# Altium PCB Main.PcbDoc (part 5 of 7) (continued)
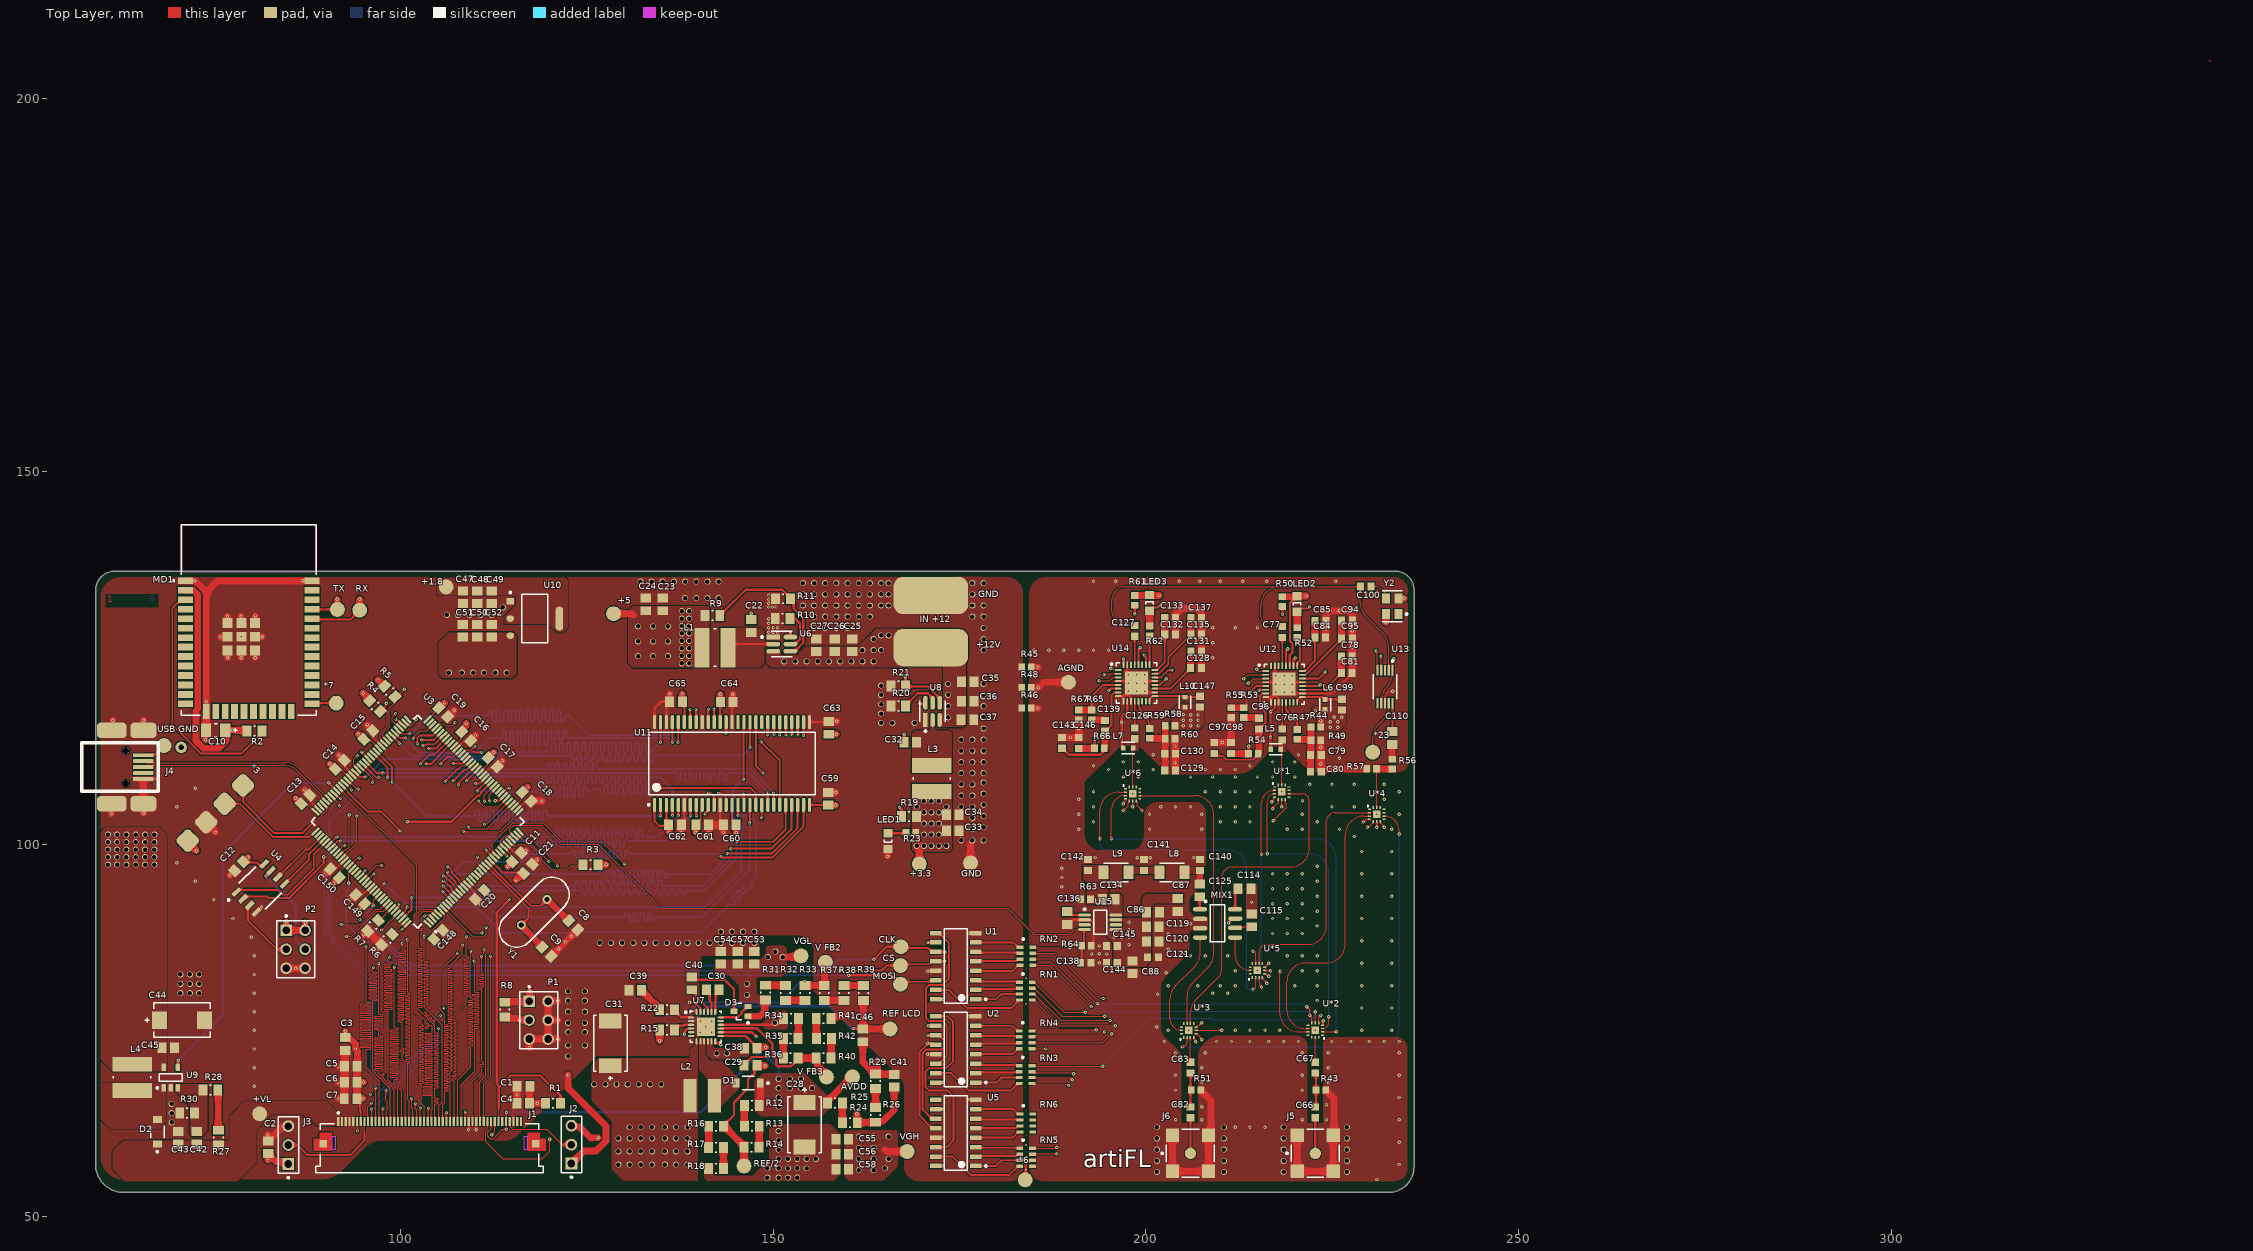
[diagram p0: Top Layer view]
## Nets (pads, with @x,y where several pads share a name; then routed paths per layer and width w, separated by ;. In a path a pad name is that pad's centre, name@x,y a point inside that pad or via, vN(x,y) a via of type N, cw(c..) or ccw(c..) an arc to the next point about the centre after c; other vN are vias at no path point) (continued)
  Signal 1 w0.127: v3(109.45,85.65) 109.45,94.95 114.445,99.945 117.305,99.945 117.325,99.925 117.65,99.925 v3(119.95,97.625)
LCD_R3: J1.32 U3.46 | length 63.1
  Top Layer w0.127: J1.32@107.175,62.775 107.241,62.841 107.241,68.175 107.241,68.181 107.177,68.245 107.05,68.245 106.987,68.308 106.987,68.435 107.05,68.499 107.241,68.499 107.431,68.499 107.495,68.562 107.495,68.689 107.431,68.753 107.241,68.753 107.05,68.753 106.987,68.816 106.987,68.943 107.05,69.007 107.241,69.007 107.431,69.007 107.495,69.07 107.495,69.197 107.431,69.261 107.241,69.261 107.202,69.261 107.139,69.324 107.139,69.451 107.202,69.515 107.241,69.515 107.431,69.515 107.495,69.578 107.495,69.705 107.431,69.769 107.304,69.769 107.241,69.832 107.241,69.959 107.304,70.023 107.431,70.023 107.495,70.086 107.495,70.213 107.431,70.277 107.304,70.277 107.241,70.34 107.241,70.467 107.304,70.531 107.431,70.531 107.495,70.594 107.495,70.721 107.431,70.785 107.304,70.785 107.241,70.848 107.241,70.975 107.304,71.039 107.431,71.039 107.495,71.102 107.495,71.229 107.431,71.293 107.304,71.293 107.241,71.356 107.241,71.483 107.304,71.547 107.431,71.547 107.495,71.61 107.495,71.737 107.431,71.801 107.304,71.801 107.241,71.864 107.241,71.991 107.304,72.055 107.431,72.055 107.495,72.118 107.495,72.245 107.431,72.309 107.304,72.309 107.241,72.372 107.241,72.499 107.304,72.563 107.431,72.563 107.495,72.626 107.495,72.753 107.431,72.817 107.304,72.817 107.241,72.88 107.241,73.007 107.304,73.071 107.431,73.071 107.495,73.134 107.495,73.261 107.431,73.325 107.304,73.325 107.241,73.388 107.241,73.515 107.304,73.579 107.431,73.579 107.495,73.642 107.495,73.769 107.431,73.833 107.304,73.833 107.241,73.896 107.241,74.023 107.304,74.087 107.431,74.087 107.495,74.15 107.495,74.277 107.431,74.341 107.304,74.341 107.241,74.404 107.241,74.531 107.304,74.595 107.431,74.595 107.495,74.658 107.495,74.785 107.431,74.849 107.304,74.849 107.241,74.912 107.241,75.039 107.304,75.103 107.431,75.103 107.495,75.166 107.495,75.293 107.431,75.357 107.304,75.357 107.241,75.42 107.241,75.547 107.304,75.611 107.431,75.611 107.495,75.674 107.495,75.801 107.431,75.865 107.304,75.865 107.241,75.928 107.241,76.055 107.304,76.119 107.431,76.119 107.495,76.182 107.495,76.309 107.431,76.373 107.304,76.373 107.241,76.436 107.241,76.5 107.241,77.091 108.85,78.7 108.85,79.5 108.864,79.514 109.041,79.514 109.104,79.577 109.104,79.704 109.041,79.768 108.85,79.768 108.659,79.768 108.596,79.831 108.596,79.958 108.659,80.022 108.85,80.022 109.041,80.022 109.104,80.085 109.104,80.212 109.041,80.276 108.85,80.276 108.659,80.276 108.596,80.339 108.596,80.466 108.659,80.53 108.85,80.53 109.041,80.53 109.104,80.593 109.104,80.72 109.041,80.784 108.85,80.784 108.659,80.784 108.596,80.847 108.596,80.974 108.659,81.038 108.85,81.038 109.041,81.038 109.104,81.101 109.104,81.228 109.041,81.292 108.85,81.292 108.659,81.292 108.596,81.355 108.596,81.482 108.659,81.546 108.85,81.546 109.041,81.546 109.104,81.609 109.104,81.736 109.041,81.8 108.85,81.8 108.659,81.8 108.596,81.863 108.596,81.99 108.659,82.054 108.85,82.054 109.041,82.054 109.104,82.117 109.104,82.244 109.041,82.308 108.85,82.308 108.659,82.308 108.596,82.371 108.596,82.498 108.659,82.562 108.85,82.562 109.041,82.562 109.104,82.625 109.104,82.752 109.041,82.816 108.85,82.816 108.659,82.816 108.596,82.879 108.596,83.006 108.659,83.07 108.85,83.07 109.041,83.07 109.104,83.133 109.104,83.26 109.041,83.324 108.85,83.324 108.659,83.324 108.596,83.387 108.596,83.514 108.659,83.578 108.85,83.578 109.041,83.578 109.104,83.641 109.104,83.768 109.041,83.832 108.85,83.832 108.659,83.832 108.596,83.895 108.596,84.022 108.659,84.086 108.85,84.086 109.041,84.086 109.104,84.149 109.104,84.276 109.041,84.34 108.85,84.34 108.659,84.34 108.596,84.403 108.596,84.53 108.659,84.594 108.85,84.594 109.041,84.594 109.104,84.657 109.104,84.784 109.041,84.848 108.914,84.848 108.85,84.911 108.85,84.975 108.85,87.55 v3(108.9,87.6) ; v3(111.93,105.755) 111.93,106.595 U3.46@112.843,107.508
  Signal 1 w0.127: v3(108.9,87.6) 108.9,95.125 111.992,98.217 111.992,101.918 111.93,101.98 v3(111.93,105.755)
LCD_R4: J1.31 U3.41 | length 63.6
  Top Layer w0.127: J1.31@106.675,62.775 106.71,62.81 106.71,69.5 106.71,69.541 106.773,69.605 106.9,69.605 106.964,69.668 106.964,69.795 106.9,69.859 106.773,69.859 106.71,69.922 106.71,70.049 106.773,70.113 106.9,70.113 106.964,70.176 106.964,70.303 106.9,70.367 106.773,70.367 106.71,70.43 106.71,70.557 106.773,70.621 106.9,70.621 106.964,70.684 106.964,70.811 106.9,70.875 106.773,70.875 106.71,70.938 106.71,71.065 106.773,71.129 106.9,71.129 106.964,71.192 106.964,71.319 106.9,71.383 106.773,71.383 106.71,71.446 106.71,71.573 106.773,71.637 106.9,71.637 106.964,71.7 106.964,71.827 106.9,71.891 106.773,71.891 106.71,71.954 106.71,72.081 106.773,72.145 106.9,72.145 106.964,72.208 106.964,72.335 106.9,72.399 106.773,72.399 106.71,72.462 106.71,72.589 106.773,72.653 106.9,72.653 106.964,72.716 106.964,72.843 106.9,72.907 106.773,72.907 106.71,72.97 106.71,73.097 106.773,73.161 106.9,73.161 106.964,73.224 106.964,73.351 106.9,73.415 106.773,73.415 106.71,73.478 106.71,73.605 106.773,73.669 106.9,73.669 106.964,73.732 106.964,73.859 106.9,73.923 106.773,73.923 106.71,73.986 106.71,74.113 106.773,74.177 106.9,74.177 106.964,74.24 106.964,74.367 106.9,74.431 106.773,74.431 106.71,74.494 106.71,74.621 106.773,74.685 106.9,74.685 106.964,74.748 106.964,74.875 106.9,74.939 106.773,74.939 106.71,75.002 106.71,75.129 106.773,75.193 106.9,75.193 106.964,75.256 106.964,75.383 106.9,75.447 106.773,75.447 106.71,75.51 106.71,75.637 106.773,75.701 106.9,75.701 106.964,75.764 106.964,75.891 106.9,75.955 106.71,75.955 106.579,75.955 106.516,76.018 106.516,76.145 106.579,76.209 106.71,76.209 106.9,76.209 106.964,76.272 106.964,76.399 106.9,76.463 106.71,76.463 106.519,76.463 106.456,76.526 106.456,76.653 106.519,76.717 106.71,76.717 106.9,76.717 106.964,76.78 106.964,76.907 106.9,76.971 106.71,76.971 106.519,76.971 106.456,77.034 106.456,77.161 106.519,77.225 106.71,77.225 106.9,77.225 106.964,77.288 106.964,77.415 106.9,77.479 106.71,77.479 106.519,77.479 106.456,77.542 106.456,77.669 106.519,77.733 106.71,77.733 106.9,77.733 106.964,77.796 106.964,77.923 106.9,77.987 106.71,77.987 106.519,77.987 106.456,78.05 106.456,78.177 106.519,78.241 106.71,78.241 106.9,78.241 106.964,78.304 106.964,78.431 106.9,78.495 106.71,78.495 106.519,78.495 106.456,78.558 106.456,78.685 106.519,78.749 106.71,78.749 106.9,78.749 106.964,78.812 106.964,78.939 106.9,79.003 106.71,79.003 106.519,79.003 106.456,79.066 106.456,79.193 106.519,79.257 106.71,79.257 106.9,79.257 106.964,79.32 106.964,79.447 106.9,79.511 106.71,79.511 106.519,79.511 106.456,79.574 106.456,79.701 106.519,79.765 106.71,79.765 106.9,79.765 106.964,79.828 106.964,79.955 106.9,80.019 106.71,80.019 106.519,80.019 106.456,80.082 106.456,80.209 106.519,80.273 106.71,80.273 106.9,80.273 106.964,80.336 106.964,80.463 106.9,80.527 106.71,80.527 106.519,80.527 106.456,80.59 106.456,80.717 106.519,80.781 106.71,80.781 106.9,80.781 106.964,80.844 106.964,80.971 106.9,81.035 106.71,81.035 106.519,81.035 106.456,81.098 106.456,81.225 106.519,81.289 106.71,81.289 106.9,81.289 106.964,81.352 106.964,81.479 106.9,81.543 106.71,81.543 106.519,81.543 106.456,81.606 106.456,81.733 106.519,81.797 106.71,81.797 106.9,81.797 106.964,81.86 106.964,81.987 106.9,82.051 106.71,82.051 106.519,82.051 106.456,82.114 106.456,82.241 106.519,82.305 106.71,82.305 106.9,82.305 106.964,82.368 106.964,82.495 106.9,82.559 106.71,82.559 106.519,82.559 106.456,82.622 106.456,82.749 106.519,82.813 106.71,82.813 106.9,82.813 106.964,82.876 106.964,83.003 106.9,83.067 106.71,83.067 106.519,83.067 106.456,83.13 106.456,83.257 106.519,83.321 106.646,83.321 106.71,83.384 106.71,83.575 106.71,83.702 108.325,85.317 v3(108.325,86.45) ; v3(111.299,102.598) 111.351,102.65 111.521,102.65 U3.41@114.611,105.74
  Signal 1 w0.127: v3(108.325,86.45) 108.325,94.95 111.125,97.75 111.125,98.782 110.957,98.949 110.957,102.183 111.299,102.524 v3(111.299,102.598)
LCD_R5: J1.30 U3.101 | length 62.5
  Top Layer w0.127: U3.101@91.1,106.801 91.723,106.177 91.923,106.177 v3(91.975,106.125) ; J1.30@106.1,62.7 J1.30@106.175,62.775 v3(106.175,64)
  Signal 2 w0.127: v3(96.025,66.4) 96.042,66.383 98.567,66.383 99.362,65.587 99.407,65.543 99.497,65.543 99.587,65.632 99.677,65.632 99.767,65.543 99.767,65.453 99.632,65.318 99.497,65.183 99.497,65.094 99.587,65.004 99.677,65.004 99.767,65.094 99.856,65.094 99.987,64.962 100.95,64 v3(106.175,64)
  Bottom Layer w0.127: v3(91.975,106.125) 90.368,104.517 90.368,95.675 89.85,95.158 89.85,87.649 96.2,81.299 96.2,79.267 96.2,79.14 96.2,78.949 96.137,78.886 95.756,78.886 95.692,78.822 95.692,78.695 95.756,78.632 96.2,78.632 96.31,78.632 96.373,78.568 96.373,78.441 96.31,78.378 96.2,78.378 95.756,78.378 95.692,78.314 95.692,78.187 95.756,78.124 96.2,78.124 96.31,78.124 96.373,78.06 96.373,77.933 96.31,77.87 96.2,77.87 95.756,77.87 95.692,77.806 95.692,77.679 95.756,77.616 96.137,77.616 96.2,77.552 96.2,77.362 96.2,77.211 96.2,77.084 96.2,76.893 96.264,76.83 96.31,76.83 96.373,76.766 96.373,76.639 96.31,76.576 96.2,76.576 95.756,76.576 95.692,76.512 95.692,76.385 95.756,76.322 96.2,76.322 96.31,76.322 96.373,76.258 96.373,76.131 96.31,76.068 96.2,76.068 96.2,73.974 96.025,73.799 v3(96.025,66.4)
LCD_R6: J1.29 U3.47 | length 64.1
  Top Layer w0.127: J1.29@105.675,62.775 105.658,62.792 105.658,64.994 105.925,65.261 105.925,66.8 105.925,66.82 105.988,66.883 106.369,66.883 106.433,66.947 106.433,67.074 106.369,67.137 105.988,67.137 105.925,67.201 105.925,67.328 105.988,67.391 106.369,67.391 106.433,67.455 106.433,67.582 106.369,67.645 105.988,67.645 105.925,67.709 105.925,67.836 105.988,67.899 106.369,67.899 106.433,67.963 106.433,68.09 106.369,68.153 105.988,68.153 105.925,68.217 105.925,68.344 105.988,68.407 106.369,68.407 106.433,68.471 106.433,68.598 106.369,68.661 105.988,68.661 105.925,68.725 105.925,68.852 105.988,68.915 106.369,68.915 106.433,68.979 106.433,69.106 106.369,69.169 105.988,69.169 105.925,69.233 105.925,69.36 105.988,69.423 106.369,69.423 106.433,69.487 106.433,69.614 106.369,69.677 105.988,69.677 105.925,69.741 105.925,69.868 105.988,69.931 106.369,69.931 106.433,69.995 106.433,70.122 106.369,70.185 105.988,70.185 105.925,70.249 105.925,70.376 105.988,70.439 106.369,70.439 106.433,70.503 106.433,70.63 106.369,70.693 105.988,70.693 105.925,70.757 105.925,70.884 105.988,70.947 106.369,70.947 106.433,71.011 106.433,71.138 106.369,71.201 105.988,71.201 105.925,71.265 105.925,71.392 105.988,71.455 106.369,71.455 106.433,71.519 106.433,71.646 106.369,71.709 105.988,71.709 105.925,71.773 105.925,71.9 105.988,71.963 106.369,71.963 106.433,72.027 106.433,72.154 106.369,72.217 105.988,72.217 105.925,72.281 105.925,72.408 105.988,72.471 106.369,72.471 106.433,72.535 106.433,72.662 106.369,72.725 105.988,72.725 105.925,72.789 105.925,72.916 105.988,72.979 106.369,72.979 106.433,73.043 106.433,73.17 106.369,73.233 105.988,73.233 105.925,73.297 105.925,73.424 105.988,73.487 106.369,73.487 106.433,73.551 106.433,73.678 106.369,73.741 105.988,73.741 105.925,73.805 105.925,73.932 105.988,73.995 106.369,73.995 106.433,74.059 106.433,74.186 106.369,74.249 105.988,74.249 105.925,74.313 105.925,74.44 105.988,74.503 106.369,74.503 106.433,74.567 106.433,74.694 106.369,74.757 105.988,74.757 105.925,74.821 105.925,74.948 105.988,75.011 106.369,75.011 106.433,75.075 106.433,75.202 106.369,75.265 105.988,75.265 105.925,75.329 105.925,75.456 105.988,75.519 106.369,75.519 106.433,75.583 106.433,75.71 106.369,75.773 105.988,75.773 105.925,75.837 105.925,75.9 105.925,76.25 105.892,76.283 105.892,77.214 105.358,77.749 105.358,83.033 107.68,85.355 v3(107.68,85.404) ; v3(111.275,105.725) 111.275,106.56 112.49,107.774 U3.47@112.49,107.861
  Signal 1 w0.127: v3(107.68,85.404) 107.68,94.83 110.848,97.998 110.848,98.667 110.68,98.835 110.68,104.455 111.275,105.05 v3(111.275,105.725)
LCD_R7: J1.28 U3.91 | length 62.8
  Top Layer w0.127: U3.91@94.802,110.255 96.348,108.709 96.348,108.452 96.332,108.436 96.332,108.333 v3(96.28,108.28) ; v3(103.205,87.654) 103.205,84.425 103.205,84.362 103.269,84.298 103.65,84.298 103.713,84.235 103.713,84.108 103.65,84.044 103.269,84.044 103.205,83.981 103.205,83.854 103.269,83.79 103.65,83.79 103.713,83.727 103.713,83.6 103.65,83.536 103.269,83.536 103.205,83.473 103.205,83.346 103.269,83.282 103.65,83.282 103.713,83.219 103.713,83.092 103.65,83.028 103.269,83.028 103.205,82.965 103.205,82.838 103.269,82.774 103.65,82.774 103.713,82.711 103.713,82.584 103.65,82.52 103.269,82.52 103.205,82.457 103.205,82.33 103.269,82.266 103.65,82.266 103.713,82.203 103.713,82.076 103.65,82.012 103.269,82.012 103.205,81.949 103.205,81.822 103.269,81.758 103.65,81.758 103.713,81.695 103.713,81.568 103.65,81.504 103.269,81.504 103.205,81.441 103.205,81.314 103.269,81.25 103.65,81.25 103.713,81.187 103.713,81.06 103.65,80.996 103.269,80.996 103.205,80.933 103.205,80.806 103.269,80.742 103.65,80.742 103.713,80.679 103.713,80.552 103.65,80.488 103.269,80.488 103.205,80.425 103.205,80.298 103.269,80.234 103.65,80.234 103.713,80.171 103.713,80.044 103.65,79.98 103.269,79.98 103.205,79.917 103.205,79.79 103.269,79.726 103.65,79.726 103.713,79.663 103.713,79.536 103.65,79.472 103.269,79.472 103.205,79.409 103.205,79.282 103.269,79.218 103.65,79.218 103.713,79.155 103.713,79.028 103.65,78.964 103.269,78.964 103.205,78.901 103.205,78.774 103.269,78.71 103.65,78.71 103.713,78.647 103.713,78.52 103.65,78.456 103.269,78.456 103.205,78.393 103.205,78.225 103.205,78.105 105.648,75.663 105.648,65.376 105.175,64.903 J1.28@105.175,62.775
  Signal 2 w0.127: v3(96.28,108.28) 96.52,108.28 102.022,102.778 102.022,93.59 102.708,92.905 102.708,89.593 103.205,89.095 v3(103.205,87.654)
LCD_RESET: J1.44 R1.2 U3.43 | length 66
  Top Layer w0.127: v1(112.75,105.825) 113.282,105.825 U3.43@113.904,106.447 ; J1.44@113.175,62.775 113.175,64.525 113.2,64.55
  Top Layer w0.305: 113.2,64.55 113.2,67.325 ; v1(114.65,92.55) 112.923,90.823 112.923,67.827 113.2,67.55 113.2,67.325 ; R1.2@121.475,65.225 121.475,66.25 118.775,68.95 114.825,68.95 113.2,67.325
  Signal 1 w0.305: v1(112.75,105.825) 112.778,105.797 113.209,105.797 113.356,105.65 114.656,105.65 121.899,98.408 121.899,96.724 118.925,93.75 115.85,93.75 v1(114.65,92.55)
LCD_U/D: J1.40 U3.76 | length 63
  Top Layer w0.127: v3(99.375,117.5) 98.882,117.008 98.882,116.511 99.186,116.207 99.284,116.207 99.852,115.64 U3.76@99.939,115.64 ; J1.40@111.175,62.775 111.175,67.725 112.1,68.65 v3(112.1,85)
  Signal 2 w0.127: v3(99.375,117.5) 99.917,116.958 99.917,114.226 100.397,113.746 100.397,107.478 103.102,104.773 103.102,95.023 112.1,86.025 v3(112.1,85)
LCD_VS: J1.10 U3.40 | length 62.1
  Top Layer w0.127: v3(96.15,64.45) 96.175,64.425 J1.10@96.175,62.775 ; v3(109.05,102.275) 109.245,102.08 111.658,102.08 U3.40@114.965,105.386
  Signal 1 w0.127: v3(105.375,77) 105.358,77.017 105.358,79.608 105.375,79.625 105.375,79.81 105.438,79.873 105.566,79.873 105.629,79.937 105.629,80.064 105.566,80.127 105.375,80.127 105.227,80.127 105.163,80.191 105.163,80.318 105.227,80.381 105.375,80.381 105.566,80.381 105.629,80.445 105.629,80.572 105.566,80.635 105.375,80.635 105.227,80.635 105.163,80.699 105.163,80.826 105.227,80.889 105.375,80.889 105.566,80.889 105.629,80.953 105.629,81.08 105.566,81.143 105.375,81.143 105.227,81.143 105.163,81.207 105.163,81.334 105.227,81.397 105.311,81.397 105.375,81.461 105.375,81.651 105.375,81.778 105.375,81.882 105.718,82.225 105.718,82.345 105.654,82.409 105.527,82.409 105.463,82.472 105.463,82.599 105.527,82.663 105.718,82.663 105.908,82.663 105.972,82.726 105.972,82.853 105.908,82.917 105.718,82.917 105.527,82.917 105.463,82.98 105.463,83.107 105.527,83.171 105.718,83.171 105.908,83.171 105.972,83.234 105.972,83.361 105.908,83.425 105.718,83.425 105.527,83.425 105.463,83.488 105.463,83.615 105.527,83.679 105.718,83.679 105.908,83.679 105.972,83.742 105.972,83.869 105.908,83.933 105.718,83.933 105.527,83.933 105.463,83.996 105.463,84.123 105.527,84.187 105.718,84.187 105.908,84.187 105.972,84.25 105.972,84.377 105.908,84.441 105.718,84.441 105.527,84.441 105.463,84.504 105.463,84.631 105.527,84.695 105.718,84.695 105.908,84.695 105.972,84.758 105.972,84.885 105.908,84.949 105.718,84.949 105.527,84.949 105.463,85.012 105.463,85.139 105.527,85.203 105.718,85.203 105.908,85.203 105.972,85.266 105.972,85.393 105.908,85.457 105.718,85.457 105.527,85.457 105.463,85.52 105.463,85.647 105.527,85.711 105.718,85.711 105.908,85.711 105.972,85.774 105.972,85.901 105.908,85.965 105.718,85.965 105.561,85.965 105.498,86.028 105.498,86.155 105.561,86.219 105.718,86.219 105.908,86.219 105.972,86.282 105.972,86.409 105.908,86.473 105.781,86.473 105.718,86.536 105.718,86.6 105.718,87.144 105.531,87.331 105.531,87.874 105.132,88.272 105.132,97.433 109.05,101.35 v3(109.05,102.275)
  Bottom Layer w0.127: v3(96.15,64.45) 96.332,64.45 105.648,73.766 105.648,76.72 105.375,76.993 v3(105.375,77)
LE_HET: U3.7 U14.3 | length 115
  Top Layer w0.127: U3.7@105.772,91.421 105.811,91.421 109.699,87.532 111.175,87.532 111.53,87.888 v1(111.53,88.804) ; v1(193.741,121.885) 195.16,121.885 195.626,122.351 U14.3@196.323,122.351
  Signal 2 w0.127: v1(111.53,88.804) 112.204,88.131 122.274,88.131 129.995,95.852 178.86,95.852 191.625,108.617 191.625,121.075 192.434,121.885 v1(193.741,121.885)
LE_REF: U3.8 U12.3 | length 129.8
  Top Layer w0.127: U3.8@106.126,91.775 109.825,88.075 v1(110.95,88.075) ; v1(213.75,121.55) 214.402,122.202 U12.3@216.121,122.202
  Signal 2 w0.127: v1(110.95,88.075) 111.171,87.854 122.389,87.854 130.11,95.575 178.975,95.575 191.625,108.225 207.2,108.225 213.75,114.775 v1(213.75,121.55)
MOSI_HET: U3.27 U12.2 U14.2 | length 130.4
  Top Layer w0.127: U3.27@112.843,98.492 112.843,98.579 112.332,99.09 112.332,100.074 115.085,102.827 119.151,102.827 121.66,100.318 127.107,100.318 v1(130.1,97.325) ; v1(194.4,122.725) 194.487,122.725 194.613,122.851 U14.2@196.323,122.851 ; v1(213.175,122.15) 213.727,122.702 U12.2@216.121,122.702
  Signal 1 w0.127: v1(130.1,97.325) 131.35,96.075 178.5,96.075 191.566,109.141 191.566,121.016 193.225,122.675 194.35,122.675 v1(194.4,122.725) 196.894,122.725 197.438,123.269 202.447,123.269 203.565,122.15 v1(213.175,122.15)
Net*1_1: "USB GND.1" J4.1 | length 3.3
  Top Layer w0.305: J4.1@65.5,111.925 65.598,112.023 67.123,112.023 68.3,113.2
Net*6_1: *6.1 RN5.6 | length 3.2
  Top Layer w0.305: *6.1@183.825,54.95 183.902,55.027 183.902,57.046 184.204,57.347 184.352,57.347 184.575,57.57 RN5.6@184.8,57.57
Net*7_1: *7.1 MD1.25 | length 3.3
  Top Layer w0.254: MD1.25@88.165,118.8 88.265,118.9 *7.1@91.4,118.9
Net*10_1: C29.1 R14.1 R16.2 REF/2.1 U7.4 | length 34.6
  Top Layer w0.305: v1(138.1,74.5) 138.128,74.528 138.128,74.834 138.536,75.242 139.017,75.242 U7.4@139.025,75.25 ; R16.2@143.375,62.125 143.375,62.25 144.75,63.625 144.75,65.323 146.65,67.223 146.65,68.425 147.225,69 147.357,69 147.5,69.143 147.5,69.975 C29.1@147.825,70.3
  Top Layer w0.9: R16.2@143.375,62.125 143.375,62 143.525,61.85 143.725,61.85 146.125,59.45 R14.1@146.125,59.325 146.112,59.313 146.112,56.813 REF/2.1@146.1,56.8 ; C29.1@147.825,70.3 147.875,70.25 v1(148.95,70.25)
  Signal 1 w0.305: v1(138.1,74.5) 138.1,71.65 140.8,68.95 147.65,68.95 v1(148.95,70.25)
Net*23_1: *23.1 U13.9 | length 7.3
  Top Layer w0.127: *23.1@230.45,112.325 230.45,114.198 cw(c232.99,114.198) 231.194,115.994 232.05,116.85 ccw(c230.722,118.178) 232.6,118.178 U13.9@232.6,118.9
NetC8_1: C8.1 U3.24 Y1.1 | length 14.6
  Top Layer w0.127: U3.24@111.783,97.432 111.783,97.417 112.625,96.575
  Top Layer w0.254: 112.625,96.575 117.475,91.725 118.825,91.725 Y1.1@119.675,92.575
  Top Layer w0.9: Y1.1@119.675,92.575 119.688,92.575 122.462,89.801 C8.1@122.474,89.801
NetC9_1: C9.1 U3.23 Y1.2 | length 14.9
  Top Layer w0.127: U3.23@111.429,97.078 111.497,97.078 112.325,96.25
  Top Layer w0.254: 112.325,96.25 117.175,91.4 117.175,90.075 Y1.2@116.225,89.125
  Top Layer w0.9: Y1.2@116.225,89.125 116.225,89.043 119.024,86.244 C9.1@119.024,86.126
NetC22_1: C22.1 U6.6 | length 7.8
  Top Layer w0.305: C22.1@147.075,130.1 v1(147.075,130.95) ; U6.6@152.325,127.775 v1(152.325,128.475)
  Signal 1 w0.305: v1(147.075,130.95) 149.85,130.95 v1(152.325,128.475)
NetC22_2: C22.2 L1.1 U6.2 | length 7.8
  Top Layer w0.305: L1.1@143.95,126.35 144.425,126.825 U6.2@150.025,126.825 149.966,126.884 U6.2@149.184,126.884 ; C22.2@147.075,128.4 C22.2@147.523,128.848
NetC30_1: C30.1 U7.20 | length 3.2
  Top Layer w0.305: C30.1@141.05,80.425 141.498,79.977 141.498,78.935 141.75,78.682 U7.20@141.75,77.475
NetC30_2: C30.2 U7.19 | length 3.2
  Top Layer w0.305: U7.19@142.25,77.475 142.25,78.875 142.302,78.927 142.302,79.977 C30.2@142.75,80.425
NetC32_1: C32.1 U8.6 | length 6.9
  Top Layer w0.305: C32.1@167.55,113.625 167.6,113.675 v1(167.6,114.725) ; v1(169.7,118.8) 170.308,118.8 170.45,118.942 U8.6@170.45,118.95
  Signal 1 w0.305: v1@167.5,114.7 167.5,116.6 v1(169.7,118.8)
NetC32_2: C32.2 L3.1 U8.2
NetC39_1: C39.1 R22.2 | length 3.7
  Top Layer w0.9: C39.1@132.35,80.4 132.35,80.3 132.5,80.15 132.55,80.15 134.8,77.9 R22.2@134.8,77.775
NetC40_1: C40.1 D3.3 | length 9.3
  Top Layer w0.305: C40.1@139.075,82.15 139.425,81.8 143.475,81.8 144.75,80.525 D3.3@144.75,77.55
NetC42_1: C42.1 R28.1 R30.2 U9.3
NetC66_1: C66.1 C67.2 R43.2 | length 4.6
  Top Layer w0.305: C66.1@222.75,64.725 222.85,64.825 R43.2@222.85,67 222.85,69.175 C67.2@222.75,69.275
NetC66_2: C66.2 J5.1 | length 4.8
  Top Layer w0.305: J5.1@222.75,58.5 C66.2@222.75,63.275
NetC67_1: C67.1 U*2.13 | length 3.4
  Top Layer w0.127: C67.1@222.75,70.725 U*2.13@222.75,74.075
NetC76_1: C76.1 U12.12 | length 3.6
  Top Layer w0.254: C76.1@218.321,115.427 U12.12@218.321,119.002
NetC76_2: C76.2 L5.2 U*1.13 | length 4.9
  Top Layer w0.127: L5.2@218.121,112.702 cw(c218.121,112.573) 218.25,112.573 U*1.13@218.25,107.925
NetC77_2: C77.2 U12.29 | length 3.8
  Top Layer w0.254: U12.29@218.321,123.902 C77.2@218.321,127.727
NetC78_2: C78.2 C81.2 U12.19 | length 8.4
  Top Layer w0.254: U12.19@221.021,120.702 224.046,120.702 226.246,122.902 C81.2@226.246,122.952
  Top Layer w0.9: C81.2@226.246,122.952 C78.2@226.246,125.202
NetC79_2: C79.2 C80.2 R44.1 R47.2 R49.2 | length 7.9
  Top Layer w0.9: R47.2@220.321,114.052 222.121,114.052 R49.2@222.171,114.002 ; C80.2@222.096,109.702 222.096,111.577 222.171,111.652 R49.2@222.171,113.952 R49.2@222.171,114.002 ; R44.1@222.171,115.702 222.171,115.652 R49.2@222.171,114.002
NetC82_1: C82.1 C83.2 R51.2 | length 4.6
  Top Layer w0.305: C82.1@206,64.725 C83.2@206,69.275
NetC82_2: C82.2 J6.1 | length 4.8
  Top Layer w0.305: J6.1@206,58.5 C82.2@206,63.275
NetC83_1: C83.1 U*3.3 | length 3.3
  Top Layer w0.127: C83.1@206,70.725 U*3.3@206,74.025
NetC84_2: C84.2 C85.2 U12.24 | length 7.6
  Top Layer w0.254: U12.24@221.021,123.202 221.342,123.202 222.696,124.556 C84.2@222.696,127.702
  Top Layer w0.305: C84.2@222.696,127.702 C84.2@222.696,127.752
  Top Layer w0.9: C84.2@222.696,127.752 222.696,129.927 C85.2@222.721,129.952
NetC94_2: C94.2 C95.2 U12.23 | length 9.7
  Top Layer w0.254: U12.23@221.021,122.702 221.023,122.704 221.487,122.704 225.121,126.338 225.121,126.352 226.271,127.502 C95.2@226.271,127.552
  Top Layer w0.305: C95.2@226.271,127.552 C95.2@226.271,127.604
  Top Layer w0.9: C95.2@226.271,127.604 C94.2@226.271,129.977
NetC96_1: C96.1 R53.1 | length 2.1
  Top Layer w0.9: R53.1@213.146,116.977 215.046,116.977 215.146,116.877 C96.1@215.196,116.877
NetC100_1: C100.1 Y2.3 | length 2.9
  Top Layer w0.127: C100.1@230.25,134.55 230.65,134.55 cw(c230.65,132.95) Y2.3@232.25,132.95
NetC110_1: C110.1 R56.2 | length 2
  Top Layer w0.9: R56.2@233.05,111.375 C110.1@233.05,113.375
NetC110_2: C110.2 U13.10 | length 3.3
  Top Layer w0.305: C110.2@233.05,115.075 233.102,115.127 U13.10@233.102,118.352
NetC114_1: C114.1 MIX1.8 | length 2.9
  Top Layer w0.305: MIX1.8@212,91.25 212,93.6 C114.1@212.4,94
NetC115_1: C115.1 MIX1.6 | length 2.3
  Top Layer w0.127: MIX1.6@212,88.75 cw(c212.15,88.75) 212.15,88.9 C115.1@214.25,88.9
NetC125_1: C125.1 MIX1.1 | length 1.7
  Top Layer w0.305: C125.1@207.25,92.925 207.25,91.3 MIX1.1@207.3,91.25
  Top Layer w0.9: C125.1@207.238,92.913 C125.1@207.25,92.925
NetC125_2: C125.2 C140.2 L8.1 | length 1.9
  Top Layer w0.9: C125.2@207.25,94.625 207.262,94.637 207.262,96.462 C140.2@207.275,96.475
NetC126_1: C126.1 U14.12 | length 3.6
  Top Layer w0.254: C126.1@198.523,115.576 U14.12@198.523,119.151
NetC126_2: C126.2 L7.1 U*6.13 | length 5.2
  Top Layer w0.127: L7.1@198.198,112.851 cw(c198.198,112.799) 198.25,112.799 U*6.13@198.25,107.675
NetC127_2: C127.2 U14.29 | length 3.8
  Top Layer w0.254: U14.29@198.523,124.051 C127.2@198.523,127.876
NetC128_2: C128.2 C131.2 U14.19 | length 8.2
  Top Layer w0.254: U14.19@201.223,120.851 203.273,120.851 205.625,123.203 205.675,123.203 206.023,123.551 C128.2@206.023,123.601
  Top Layer w0.9: C128.2@206.023,123.601 206.048,123.626 C131.2@206.048,125.851
NetC129_2: C129.2 C130.2 R58.1 R59.2 R60.2 | length 8.1
  Top Layer w0.9: R59.2@200.523,114.201 202.382,114.201 cw(c202.382,113.86) R60.2@202.623,114.101 ; C129.2@202.548,109.851 ccw(c202.367,110.032) 202.623,110.032 R60.2@202.623,114.101 ; R58.1@202.623,115.851 R60.2@202.623,114.101
NetC132_2: C132.2 C133.2 U14.24 | length 7.7
  Top Layer w0.254: U14.24@201.223,123.351 201.523,123.351 202.548,124.376 C132.2@202.548,128.101
  Top Layer w0.9: C132.2@202.548,128.101 C133.2@202.548,130.351
NetC134_1: C134.1 U15.8 | length 0.1
  Top Layer w0.305: C134.1@196,92.525 C134.1@196.05,92.575
NetC134_2: C134.2 C142.2 L9.2 R63.1
NetC135_2: C135.2 C137.2 U14.23 | length 9.8
  Top Layer w0.254: U14.23@201.223,122.851 U14.23@201.223,122.851 201.775,122.853 203.023,124.101 203.023,125.026 206.048,128.051 C135.2@206.048,128.101
  Top Layer w0.9: C135.2@206.048,128.101 C137.2@206.048,130.351
NetC136_1: C136.1 U15.1 | length 2.5
  Top Layer w0.305: C136.1@189.45,90.925 189.898,90.477 191.798,90.477 U15.1@191.8,90.475